# Allegro board nu_2000_main_211102_02.brd (continued)
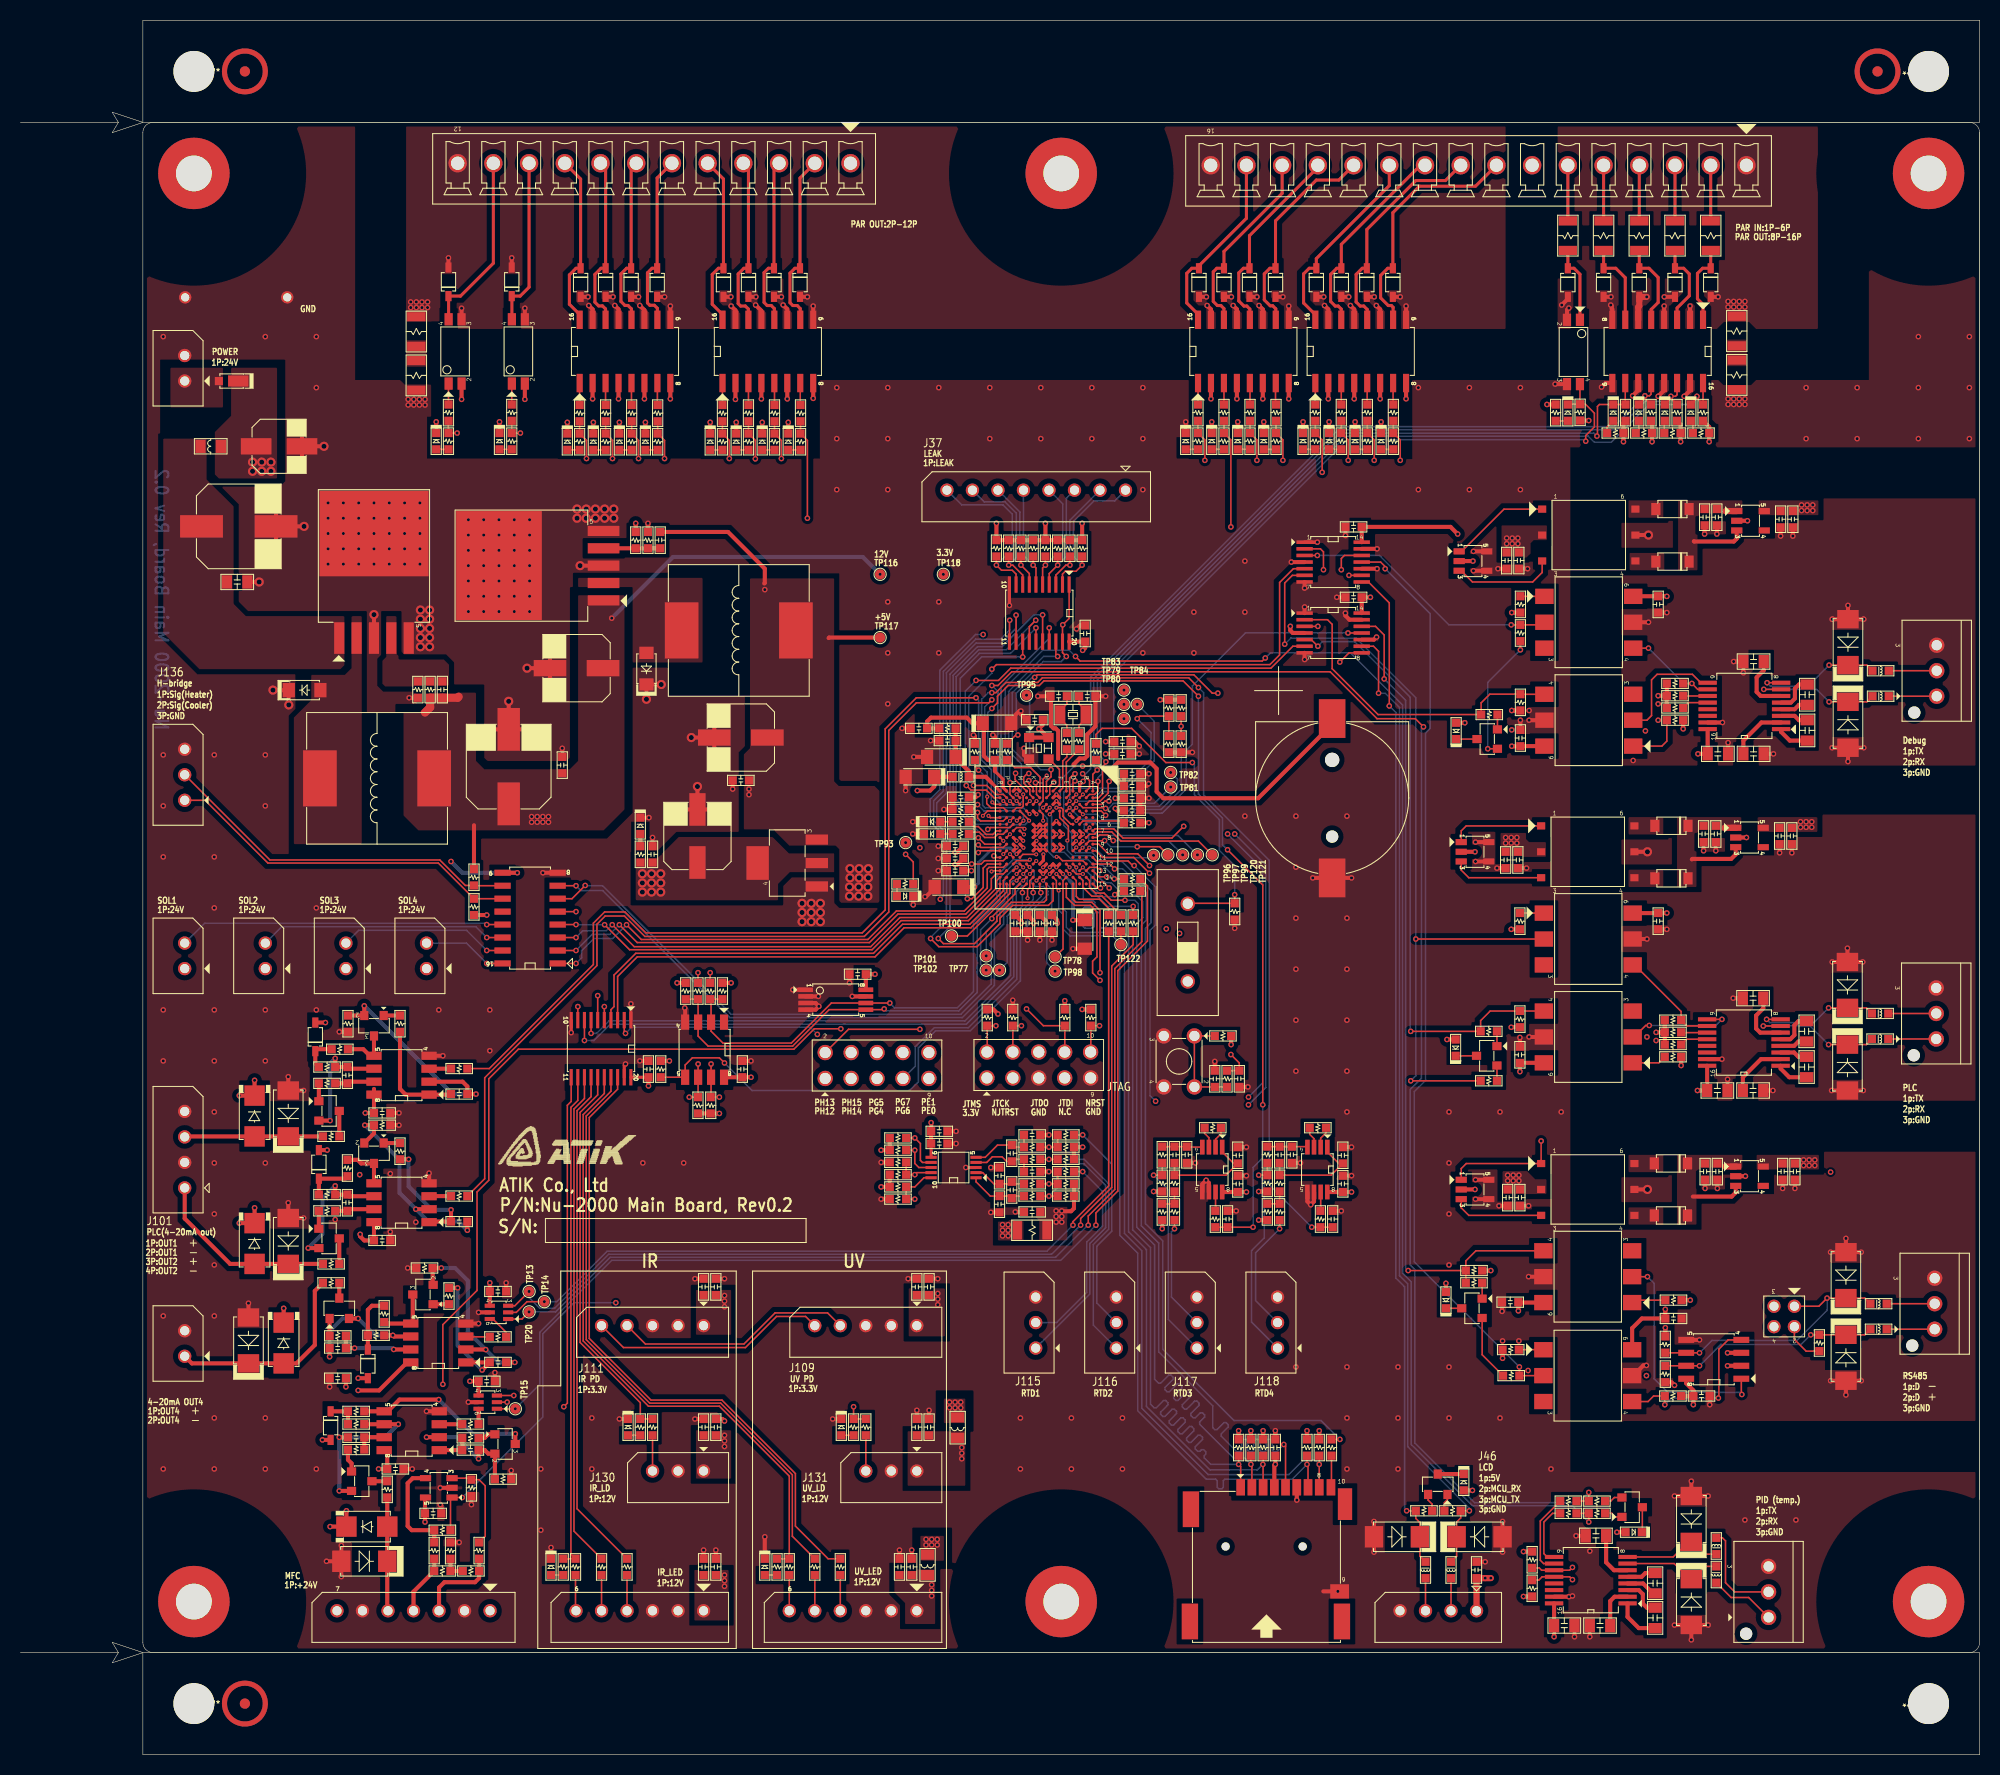
[diagram p0: board, top side]
## Routing (per net, layer and track width the routed paths; a pad name or vN(x,y) marks a point on that pad's centre or on a via; arc(x,y) is an arc through that point) (continued)
N8479819: length 13
  TOP w0.15: U1.C4 v2(104.12,92.17)
  BOTTOM w0.15: v2(104.12,92.17) 105.53,92.17 106.08,91.62 107.7,91.62 109.03,92.95 111.6,92.95 113.38,94.72 113.38,95.62 v1(112.72,96.28)
N8479823: length 10
  TOP w0.15: v1(106.35,92.75) 106.28,92.83 104.12,92.83 U1.C3
  BOTTOM w0.15: v1(106.35,92.75) 106.62,92.75 107.12,93.25 111.12,93.25 v1(112.72,94.85)
N8479827: length 11.8
  TOP w0.15: U1.C2 v2(104.12,94.12)
  L3-INT1 w0.15: v2(104.12,94.12) 104.6,94.6 107.6,94.6 108.7,95.7 108.7,101 v1(108.15,101.55)
N8479831: length 13.7
  TOP w0.15: U1.D2 v2(103.47,94.12)
  L3-INT1 w0.15: v1(108.15,102.95) 107.7,102.5 107.7,101.25 108.4,100.55 108.4,95.85 107.45,94.9 104.2,94.9 103.47,94.17 v2(103.47,94.12)
N8479835: length 15.9
  TOP w0.15: U1.D3 v2(103.47,93.47)
  BOTTOM w0.15: v1(109.45,102.95) 111.1,101.3 111.1,97.4 108.1,94.4 105.9,94.4 104.97,93.47 v2(103.47,93.47)
N8479839: length 20.4
  TOP w0.15: v1(109.45,101.55) 109.7,101.8 R426.2 R427.1 ; U1.E3 v2(102.83,93.47)
  BOTTOM w0.15: v1(109.45,101.55) 110.8,100.2 110.8,97.6 107.95,94.75 103.15,94.75 102.83,94.42 v2(102.83,93.47)
N8479843: length 21.5
  TOP w0.15: U1.E4 v2(102.83,92.83) ; R424.2 v1(113.75,100.8) R425.1
  BOTTOM w0.15: v2(102.83,92.83) 103.97,91.67 105.42,91.67 105.8,91.3 107.85,91.3 109.2,92.65 111.8,92.65 113.75,94.6 v1(113.75,100.8)
N8480699: length 12.1
  TOP w0.15: U1.B7 v2(104.78,90.88)
  BOTTOM w0.15: v2(104.78,90.88) 105.55,90.1 113.45,90.1 v1(115.35,88.2)
N8480709: length 13.9
  TOP w0.15: v2(98.4,90.75) 98.28,90.88 97.62,90.88 U1.N7
  L4-INT2 w0.15: v1(86.75,89.4) 87.35,89.4 89.15,91.2 95.25,91.2 95.7,90.75 v2(98.4,90.75)
N8480727: length 11.2
  TOP w0.15: v1(101,96.55) 101,95.85 100.55,95.4 U1.H1
  BOTTOM w0.15: v1(98.6,103.85) 98.9,103.55 98.9,97.65 100,96.55 v1(101,96.55)
N8480761: length 7.2
  TOP w0.15: U1.B10 v2(104.75,88.9)
  BOTTOM w0.15: v2(104.75,88.9) 105.25,88.9 106.25,87.9 110.8,87.9 v1(111.05,88.15)
N8480765: length 8.7
  TOP w0.15: v1(109.45,89) 111.65,89 TP97.1 ; U1.B9 104.78,89.58 106.22,89.58 v1(106.25,89.6)
  BOTTOM w0.15: v1(106.25,89.6) 106.85,89 v1(109.45,89)
N8480791: length 10.2
  TOP w0.15: U1.H14 v2(100.22,85.67)
  BOTTOM w0.15: v1(101.4,76.8) 100.6,77.6 100.6,80.65 101.05,81.1 101.05,84.85 v2(100.22,85.67)
N8480809: length 9.7
  TOP w0.15: v1(107.1,89.6) 106.55,90.15 105.75,90.15 105.5,89.9 U1.A8
  BOTTOM w0.15: v1(113.9,88.2) 112.5,89.6 v1(107.1,89.6)
N8547740: length 9.2
  TOP w0.15: TP100.1 92.8,80.25 96.97,84.42 96.97,85.67 U1.N14
N8547744: length 10.5
  TOP w0.15: U1.N13 v2(97.62,86.97)
  BOTTOM w0.15: v2(97.62,86.97) 97.47,86.97 96.45,85.95 96.45,83.65 95.7,82.9 95.7,81.75 94.65,80.7 v1(94.65,78.3)
N8547748: length 10.3
  TOP w0.15: v1(95.2,81.95) 95.2,82.1 97.47,84.38 97.47,84.88 U1.M15
  BOTTOM w0.15: v1(95.2,81.95) 94.1,80.85 94.1,77.45 v1(94.65,76.9)
N8577903: length 7.6
  TOP w0.3: R411.1 D125.2 152.25,145.7 152.84,145.12 152.84,140.65
N8579418: length 2.1
  TOP w0.15: R176.2 126.91,132.36 U45.1
N8579458: length 2.1
  TOP w0.15: U45.3 129.44,132.36 R178.2
N8579498: length 2.1
  TOP w0.15: R180.2 131.99,132.37 U45.5
N8580456: length 2.1
  TOP w0.15: U45.7 134.53,132.38 R188.2
N8581115: length 2.1
  TOP w0.15: R189.2 115.41,132.36 U46.1
N8581155: length 2.1
  TOP w0.15: U46.3 117.95,134.44 R191.2
N8581195: length 2.1
  TOP w0.15: U46.5 120.5,134.44 R193.2
N8581905: length 2.1
  TOP w0.15: U46.7 123,134.43 123,132.4 R198.2
N8582414: length 2.2
  TOP w0.15: R199.2 68.8,134.44 U47.1
N8582454: length 2.2
  TOP w0.15: U47.3 71.35,134.44 R200.2
N8582494: length 2.2
  TOP w0.15: U47.5 73.9,134.44 R201.2
N8583064: length 2.2
  TOP w0.15: R206.2 76.42,132.32 U47.7
N8583488: length 2.2
  TOP w0.15: R207.2 54.8,134.42 54.8,134.43 U48.1
N8583528: length 2.2
  TOP w0.15: U48.3 57.34,132.31 R208.2
N8583568: length 2.2
  TOP w0.15: U48.5 59.88,132.31 R209.2
N8584162: length 2.2
  TOP w0.15: R214.2 62.42,132.32 U48.7
N8611875: length 2
  TOP w0.15: D73.2 U71.3
N8632420: length 11.3
  TOP w0.15: U1.L13 v2(98.28,86.33)
  BOTTOM w0.15: v1(95.95,76.9) 96.7,77.65 96.7,82.2 97.6,83.1 97.6,84.6 98.15,85.15 98.35,85.15 98.65,85.45 98.65,85.95 v2(98.28,86.33)
N8641754: length 8.5
  TOP w0.4: R381.1 R385.2 44.95,17.3 44.55,16.9 41.55,16.9 41.02,16.38 J119.3
N8641766: length 9.4
  TOP w0.15: U78.3 44.05,27.1 R384.1 44.95,26.95 45.55,26.35 45.55,21.4 R381.2
N8641838: length 2.4
  TOP w0.4: R385.1 R387.2 R388.1
N8641920: length 10.1
  TOP w0.4: R386.2 R383.1 38.35,22 37.95,22.4 37.95,26.6 38.45,27.1 U78.4
N8641996: length 5.9
  TOP w0.4: R386.1 R387.1 38.52,15.97 J119.4
N8815037: length 2.1
  TOP w0.15: R215.2 41.95,134.38 U122.1
N8815077: length 2.1
  TOP w0.15: R216.2 48.15,134.38 U123.1
N9385993: length 4.2
  TOP w0.15: v1(152.1,18.35) 151.82,18.07 U19.11 149.07,18.07 148.85,18.3 R45.2
N9386165: length 4.2
  TOP w0.15: v1(152.1,17.15) 151.82,17.43 U19.12 149.12,17.43 148.8,17.1 R47.2
N9488779: length 2.6
  TOP w0.15: U12.6 46.3,42.7 47.6,41.4 R266.1
N9549445: length 17.2
  TOP w0.15: U86.4 167.35,40.66 166.45,39.75 166.45,35 v1(166.4,34.95) ; v1(161.15,34.3) R472.2 160.05,35.15 159.51,34.61 U120.4
  BOTTOM w0.15: v1(166.4,34.95) 161.8,34.95 v1(161.15,34.3)
N9669835: length 5
  TOP w0.4: U19.6 156.18,18.07 155.4,18.85 C65.2
N9756024: length 3.2
  TOP w0.4: U106.1 172.55,100.25 173.4,99.4 C212.2
N9756056: length 5.7
  TOP w0.4: U106.2 170.62,101.17 168.85,99.4 C215.2
N9756064: length 2.7
  TOP w0.4: U106.3 173.88,101.83 174.3,101.4 C212.1
N9756072: length 5.8
  TOP w0.4: C214.2 170.85,106.3 170.15,105.6 170.15,104.17 170.55,103.78 172.55,103.78
N9756092: length 2.7
  TOP w0.4: C216.2 174.3,102.9 173.88,102.47 U106.4
N9756156: length 3.9
  TOP w0.4: U106.5 173.5,103.12 173.9,103.53 173.9,104.5 174.3,104.9 C216.1
N9768725: length 2.8
  TOP w0.15: R467.2 163.28,70.12 U109.12
N9768767: length 3.2
  TOP w0.4: C223.2 173.35,66.4 172.5,67.25 U109.1
N9768855: length 5.7
  TOP w0.4: U109.2 170.57,68.17 168.8,66.4 C226.2
N9768863: length 2.7
  TOP w0.4: U109.3 173.82,68.83 174.25,68.4 C223.1
N9768871: length 5.8
  TOP w0.4: U109.6 170.5,70.78 170.1,71.17 170.1,72.45 170.8,73.15 C225.2
N9768911: length 2.7
  TOP w0.4: 172.5,69.47 173.82,69.47 174.25,69.9 C227.2
N9769123: length 3.9
  TOP w0.4: C227.1 174.25,71.9 173.85,71.5 173.85,70.53 173.45,70.12 U109.5
N9793724: length 4.2
  TOP w0.15: R428.2 175,39.55 173.85,40.7 JP1.2
N9818111: length 22.6
  TOP w0.15: U86.1 168.65,35.35 v1(168.7,35.3) ; U121.2 v1(159.45,46.85)
  BOTTOM w0.15: v1(168.7,35.3) 168.5,35.5 161.45,35.5 160.1,36.85 160.1,46.2 v1(159.45,46.85)
N9841684: length 9.8
  TOP w0.15: U110.1 141.25,117.95 145.39,122.09 T1.1
N9841695: length 10.1
  TOP w0.15: T1.3 149.13,115.88 148.2,114.95 142.3,114.95 141.2,116.05 U110.3
N9852169: length 6.2
  TOP w0.4: U111.3 168.2,119.2 167.92,118.92 164.03,118.92 164,118.95
  TOP w0.6: U111.1 167.1,121.9
N9879683: length 2.4
  TOP w0.15: R461.2 147.01,113.54 U112.1
N9880568: length 9.8
  TOP w0.15: R462.2 v1(163.8,105) 164.38,104.42 U106.10 ; U112.4 v1(159.55,108.46)
  BOTTOM w0.15: v1(159.55,108.46) 163.01,105 v1(163.8,105)
N9882174: length 5.6
  TOP w0.15: R464.1 161.35,99.35 160.86,98.86 U113.1
N9893641: length 11.6
  TOP w0.15: U113.2 159.4,101.4 159.85,101.85 159.85,105.35 160.4,105.9 163.85,105.9 164.68,105.08 U106.9
N9894584: length 2.6
  TOP w0.15: U106.12 163.47,103.12 R438.2
N9896543: length 2.4
  TOP w0.15: R439.2 162.97,103.78 165.35,103.78
N9902601: length 9.1
  TOP w0.15: T2.1 141.69,91.04 141.2,90.55 U115.1
N9902609: length 6.3
  TOP w0.4: 163.8,87.75 163.85,87.8 167.65,87.8 168.1,88.25 U114.3
  TOP w0.6: U114.1 167,90.85
N9902807: length 9
  TOP w0.15: U115.3 141.2,86.7 141.94,85.96 T2.3
N9903109: length 2.4
  TOP w0.15: R465.2 146.96,82.49 U116.1
N9903129: length 10.3
  TOP w0.15: U109.10 163.32,71.42 R466.2 162.75,72.85 158.19,77.41 U116.4
N9903137: length 2.6
  TOP w0.15: R468.2 162.78,70.78 U109.11
N9903169: length 10.9
  TOP w0.15: v1(159.62,71.47) 159.28,71.47 158.15,70.35 U117.2 ; 165.3,72.08 v1(166.75,72.08)
  BOTTOM w0.15: v1(159.62,71.47) 166.15,71.47 v1(166.75,72.08)
N9903277: length 3.4
  TOP w0.15: R470.1 160.56,67.81 U117.1
N9906366: length 11.3
  TOP w0.15: v1(149.03,60.15) T3.1 141.69,57.94 141.2,57.45 U119.1
N9906374: length 6
  TOP w0.4: U118.3 168.1,55.1 167.7,54.7 163.9,54.7
  TOP w0.6: U118.1 167.1,57.65
N9906572: length 9
  TOP w0.15: U119.3 141.2,53.6 141.94,52.86 T3.3
N9906852: length 2.4
  TOP w0.15: U120.1 149.24,39.7 R471.2
N9907016: length 3.3
  TOP w0.15: R475.1 158.19,44.55 U121.1
N9975453:
  vias: v1(69,31.3) v1(69,30.75) v1(69,30.2) v1(89.3,16.65) v1(89.3,16.1) v1(89.3,15.55)
N9975637: length 63.3
  TOP w0.15: R269.1 79.15,19.2 75.95,22.4 75.95,27.55 68.75,34.75 61.8,34.75 55.75,40.8 55.75,62.45 58.52,65.22 U125.18
N9975645: length 3.5
  TOP w0.15: R269.2 J107.4
N9975665: length 61.6
  TOP w0.15: U125.17 57.88,65.03 55.45,62.6 55.45,40.68 61.68,34.45 68.63,34.45 75.65,27.43 75.65,21.4 R270.1
N9975673: length 3.5
  TOP w0.15: R270.2 J107.5
N9975693: length 61.7
  TOP w0.15: R446.1 R271.1 75.35,27.3 68.5,34.15 61.55,34.15 55.15,40.55 55.15,62.74 57.23,64.81 U125.16
N9975709: length 3.5
  TOP w0.15: R271.2 J107.6
N9976071: length 37.9
  TOP w0.15: 56.58,66.4 56.58,64.67 54.85,62.95 54.85,40.4 60.75,34.5 R476.1 R272.1
N9976079: length 3.5
  TOP w0.15: R272.2 J130.3
N9976095: length 49.8
  TOP w0.15: U125.14 55.92,64.49 54.55,63.12 54.55,24.1 R478.1
N9976131: length 48.7
  TOP w0.15: R479.1 54.25,21.9 54.25,63.29 55.27,64.31 U125.13
N9976151: length 48.9
  TOP w0.15: U125.12 54.62,64.12 53.95,63.45 53.95,19.65 R480.1 R448.1
N9976163: length 63.4
  TOP w0.15: R481.1 R477.1 v1(81.65,34.1) ; U125.11 53.98,64.03 53.6,63.65 53.6,34.45 v1(53.25,34.1)
  L3-INT1 w0.15: v1(53.25,34.1) v1(81.65,34.1)
N9976251:
  vias: v1(69,17.6) v1(69,17.05) v1(69,16.5) v1(92.25,30.1) v1(92.25,29.55) v1(92.25,29)
N9976403: length 3.5
  TOP w0.15: R478.2 J108.4
N9976427: length 3.5
  TOP w0.15: R479.2 J108.5
N9976459: length 3.5
  TOP w0.15: J108.6 54.4,14.15 R480.2
N9976633: length 3.5
  TOP w0.15: R481.2 J131.3
N9977035: length 66.1
  TOP w0.15: R491.1 v1(67.6,76.65) ; J111.4 61.25,40.25 70.91,40.25 73.95,43.3 79.1,43.3 J109.4 ; v1(68.5,64.45) R482.2 67.69,64.48 U126.7 v1(67.69,67.7)
  L3-INT1 w0.15: v1(67.69,67.7) 66.4,68.98 66.4,75.45 v1(67.6,76.65) ; v1(68.5,64.45) 68.05,64 65.65,64 59.45,57.8 J111.4
N9977039: length 63.7
  TOP w0.15: J111.5 59.1,39.9 71.05,39.9 74.1,42.95 76.95,42.95 J109.5 ; R492.1 v1(66.4,76.65) ; v1(65.55,64.45) R483.2 66.41,64.47 U126.6 v1(66.41,67.7)
  L3-INT1 w0.15: v1(65.55,64.45) 59.1,58 59.1,44.2 J111.5 ; v1(66.41,67.7) 66.1,68.02 66.1,76.35 v1(66.4,76.65)
N9997691: length 5.6
  TOP w0.4: U128.4 60.3,118.25 R489.2 R490.1 C262.1
N10023088: length 6.3
  TOP w0.15: U1.D14 103.47,85.67 103.47,84.12 103.75,83.85 105.75,83.85 106.65,82.95 R493.1
N10023118: length 6
  TOP w0.15: R494.1 106,84.15 105,84.15 104.12,85.03 104.12,85.67 U1.C14
N10023150: length 8.6
  TOP w0.15: U1.C13 v2(104.12,86.97) ; R495.1 v1(109.05,83.15)
  BOTTOM w0.15: v2(104.12,86.97) 104.9,86.2 104.9,84.8 106.55,83.15 v1(109.05,83.15)
N10025688: length 11.1
  TOP w0.15: R496.2 v1(107.2,85.85) ; U1.F4 101.85,91.85 102.7,91 102.7,89.7 v2(102.6,89.6)
  BOTTOM w0.15: v2(102.6,89.6) 102.6,88.65 103.15,88.1 104.9,88.1 105.8,87.2 106.05,87.2 107.2,86.05 v1(107.2,85.85)
N10037157: length 1.3
  TOP w0.15: R498.2 163.9,130.55 D157.1
N10037183: length 1.2
  TOP w0.15: R499.2 161.1,130.7 D158.1
N10037205: length 1.3
  TOP w0.15: R500.2 158.6,129.85 D159.1
N10037227: length 1.4
  TOP w0.15: D160.1 155.5,130.15 R501.2
N10037249: length 1.2
  TOP w0.15: R502.2 D161.1
N10038837: length 1.2
  TOP w0.15: D162.1 R503.1
N10039748: length 1.2
  TOP w0.15: D163.1 R504.1
N10039906: length 1.2
  TOP w0.15: D164.1 R505.1
N10040229: length 1.2
  TOP w0.15: D165.1 R506.1
N10040391: length 1.2
  TOP w0.15: D166.1 R507.1
N10040555: length 1.2
  TOP w0.15: D167.1 R508.1
N10040723: length 1.2
  TOP w0.15: D168.1 R509.1
N10040891: length 1.2
  TOP w0.15: D169.1 R510.1
N10041061: length 1.2
  TOP w0.15: D170.1 R511.1
N10041233: length 1.2
  TOP w0.15: D171.1 R512.1
N10041407: length 1.2
  TOP w0.15: D172.1 R513.1
N10041583: length 1.2
  TOP w0.15: D173.1 R514.1
N10041761: length 1.2
  TOP w0.15: R515.1 D174.1
N10041941: length 1.2
  TOP w0.15: R516.1 D175.1
N10042123: length 1.2
  TOP w0.15: R517.1 D176.1
N10042307: length 1.2
  TOP w0.15: R518.1 D177.1
N10042495: length 1.2
  TOP w0.15: R519.1 D178.1
N10042683: length 1.2
  TOP w0.15: D179.1 R520.1
N10424983: length 24.3
  TOP w0.15: U14.14 v1(45.7,80.09)
  BOTTOM w0.15: J133.2 25.6,81.15 44.65,81.15 v1(45.7,80.09)
N10424999: length 16.7
  TOP w0.15: U14.15 v1(45.7,78.83)
  BOTTOM w0.15: J134.2 33.15,80.8 43.73,80.8 v1(45.7,78.83)
N10454014: length 32
  TOP w0.15: U14.13 v1(45.7,81.36)
  BOTTOM w0.15: v1(45.7,81.36) 45.56,81.5 18.05,81.5 J132.2
N10454035: length 8.3
  TOP w0.15: U14.16 v1(45.7,77.56)
  BOTTOM w0.15: v1(45.7,77.56) 43.7,79.55 J135.2
N10472130: length 35.7
  TOP w0.15: U14.10 44.48,85.17 R522.2 43.6,85.2 41.1,87.7 24.45,87.7 J136.2
N10472136: length 35.1
  TOP w0.15: U14.11 47.24,83.9 R521.2 40.95,87.4 24.25,87.4 18.1,93.55 J136.1
N10500518: length 11.9
  TOP w0.4: R523.1 v1(38.05,58.35) ; U129.1 40.11,52.25 C266.1 v1(42.2,53.4)
  BOTTOM w0.4: v1(38.05,58.35) 38.05,55.7 40.35,53.4 v1(42.2,53.4)
N10500522: length 1.6
  TOP w0.4: Q101.1 R523.2
N10500598: length 4.7
  TOP w0.4: R525.1 33.05,58.3 33.4,57.95 Q101.3 U129.5
N10500602: length 21.4
  TOP w0.4: C266.2 v1(43.8,51.4) ; v1(33.75,61.7) R524.2 34.65,60.9 Q101.2 ; U129.2 v1(38.75,53.47)
  BOTTOM w0.4: v1(43.8,51.4) 42.95,52.25 39.97,52.25 v1(38.75,53.47) 37.15,55.06 37.15,58.3 v1(33.75,61.7)
N10501389: length 13
  TOP w0.4: Q100.2 v1(28.2,49.65) ; v1(30.85,55.75) R526.2 C268.2 32.22,54.73 U129.6
  BOTTOM w0.4: v1(30.85,55.75) 29.6,54.5 29.6,51.05 v1(28.2,49.65)
N10501401: length 4.5
  TOP w0.4: R525.2 31.81,56.46 D180.2 R526.1
N10501492: length 3.9
  TOP w0.4: U129.7 32.22,53.47 C268.1 R527.1
N10501545: length 1.8
  TOP w0.4: R527.2 Q100.1
N10508863: length 2.2
  TOP w0.4: U129.3 40.06,54.75 R223.2
N10508867: length 2.5
  TOP w0.4: Q100.3 R221.1
N10509256: length 3.4
  TOP w0.4: R529.2 29.09,69.15 D181.2 28.9,67.75 R528.1
N10509268: length 12.1
  TOP w0.4: v1(30.85,68.25) R528.2 C270.2 32.22,67.23 U130.6 ; Q102.2 v1(30.35,62.15)
  BOTTOM w0.4: v1(30.35,62.15) 30.35,67.75 v1(30.85,68.25)
N10509436: length 3.9
  TOP w0.4: R530.1 C270.1 32.22,65.97 U130.7
N10509460: length 4.8
  TOP w0.4: Q103.3 U130.5 34.25,68.5 33.6,69.15 R529.1
N10509472: length 1.8
  TOP w0.4: Q102.1 R530.2
N10509484: length 22.6
  TOP w0.4: v1(33.7,73.4) Q103.2 R532.2 ; v1(44.65,64.75) C271.2 43.8,65.5 43.34,65.97 U130.2
  BOTTOM w0.4: v1(33.7,73.4) 42.35,64.75 v1(44.65,64.75)
N10509504: length 2.5
  TOP w0.4: R229.1 Q102.3
N10509624: length 10.9
  TOP w0.4: C271.1 42.14,64.69 U130.1 37.75,64.69 37.2,65.25 R531.1
N10509652: length 1.6
  TOP w0.4: Q103.1 R531.2
N10509656: length 2.2
  TOP w0.4: R231.2 42.19,67.23 U130.3
N10510436: length 3
  TOP w0.4: R533.1 R534.2 D182.2
N10510448: length 17
  TOP w0.4: R533.2 33.72,32.39 U131.6 v1(37.03,32.39) ; Q104.2 v1(31.25,25.85) ; C273.2 v1(31.25,31.1)
  BOTTOM w0.4: v1(31.25,25.85) v1(31.25,31.1) 35.75,31.1 v1(37.03,32.39)
N10510616: length 3.2
  TOP w0.4: U131.7 33.72,31.11 C273.1 R535.1
N10510640: length 17.7
  TOP w0.4: v1(48.5,31.45) Q105.3 ; v1(41,34.8) 37.15,34.8 36,33.66 U131.5 35.64,33.65 R534.1
  BOTTOM w0.4: v1(48.5,31.45) 44.35,31.45 v1(41,34.8)
N10510652: length 2.3
  TOP w0.4: Q104.1 32.45,28.55 32.1,28.9 R535.2
N10510664: length 12.3
  TOP w0.4: U131.2 v1(39.8,31.11) ; v1(44.9,29) C274.2 45.5,29.85 45.85,29.5 Q105.2 R537.2
  BOTTOM w0.4: v1(44.9,29) 42.78,31.11 v1(39.8,31.11)
N10510684: length 1.5
  TOP w0.4: R144.1 Q104.3
N10510804: length 3.5
  TOP w0.4: U131.1 41.05,29.85 C274.1 R536.1
N10510836: length 1.7
  TOP w0.4: R536.2 45.5,31.05 45.85,31.4 Q105.1
N10510840: length 2.3
  TOP w0.4: R265.2 43.28,32.39 U131.3
N10512026: length 5.7
  TOP w0.4: R539.2 34.45,44 34.05,43.6 R538.1 D183.2
N10512038: length 14.3
  TOP w0.4: Q106.2 v1(33.1,42.75) ; R538.2 v1(36.5,41.1) 36.61,40.98 38.25,40.98 ; C276.2 v1(30.3,39)
  BOTTOM w0.4: v1(30.3,39) 30.3,41.5 31.55,42.75 v1(33.1,42.75) 34.75,41.1 v1(36.5,41.1)
N10512206: length 7.6
  TOP w0.4: U132.7 v1(36.59,39.72) ; v1(32.75,39.85) C276.1 R540.1
  BOTTOM w0.4: v1(32.75,39.85) 36.45,39.85 v1(36.59,39.72)
N10512230: length 5.6
  TOP w0.4: R539.1 35.8,42.26 U132.5 38.45,42.45 Q107.3
N10512242: length 1.7
  TOP w0.4: Q106.1 R540.2
N10512254: length 19.3
  TOP w0.4: C277.2 v1(48.45,38.45) ; U132.2 45.59,39.72 v1(45.6,39.7) ; v1(41.25,47.7) R542.2 40.4,46.1 Q107.2
  BOTTOM w0.4: v1(48.45,38.45) 46.85,38.45 v1(45.6,39.7) 43.85,41.45 43.85,46.45 42.6,47.7 v1(41.25,47.7)
N10512274: length 1.5
  TOP w0.4: Q106.3 R151.1
N10512394: length 13.3
  TOP w0.4: C277.1 45.99,38.45 ; 45.99,38.45 U132.1 ; 45.99,38.45 v1(45.25,37.7) ; R541.1 v1(42.85,45.75)
  BOTTOM w0.4: v1(45.25,37.7) 42.85,40.1 v1(42.85,45.75)
N10512426: length 1.6
  TOP w0.4: Q107.1 R541.2
N10512430: length 2.4
  TOP w0.15: 43.65,40.98 43.69,40.95 R266.2
N10684882: length 1.2
  TOP w0.15: R446.2 D145.1
N73128801: length 4.7
  TOP w0.15: L16.2 J48.1
N73128981: length 4.7
  TOP w0.15: J48.2 L17.2
N85887810: length 2.5
  TOP w0.4: D70.2 U68.3
N85887811: length 1.8
  TOP w0.15: R355.1 138.35,24.55 137.95,24.95 U68.2
N85887812: length 1.7
  TOP w0.15: U68.1 139.85,25 139.55,24.7 R356.1
N85944071: length 2.5
  TOP w0.15: U69.3 158.95,21.85 D71.2
N85944271: length 1.8
  TOP w0.15: U69.2 156.2,25.2 155.85,24.85 R359.1
N85944272: length 1.8
  TOP w0.15: U69.1 156.3,23.3 155.95,23.65 R360.1
N86077921: length 2.1
  TOP w0.15: D72.2 U70.3
N86078161: length 12.8
  TOP w0.15: R363.1 v1(147,108.3) ; v1(143.8,98.6) U70.2
  BOTTOM w0.15: v1(147,108.3) 143.8,105.1 v1(143.8,98.6)
N86078162: length 1.5
  TOP w0.15: U70.1 R364.1
N86118911: length 1.5
  TOP w0.15: U71.2 R367.1
N86118912: length 1.4
  TOP w0.15: R368.1 U71.1
N86591951: length 1.5
  TOP w0.15: D74.2 U72.3
N86592191: length 6.5
  TOP w0.15: R371.1 143.25,39.2 U72.2
N86592192: length 1.5
  TOP w0.15: U72.1 R372.1
N99761110: length 1.2
  TOP w0.15: R476.2 D154.1
N99764710: length 1.2
  TOP w0.15: R448.2 D147.1
N99766450: length 1.2
  TOP w0.15: R477.2 D155.1
N99986800: length 1.2
  TOP w0.4: R256.2 D61.1

## Copper pours and planes (outline as drawn; the poured copper is in the pictures)
3.3V on TOP: 66.2,45.55 66.2,41.15 69.65,41.15 69.65,45.55
3.3V on TOP: 98.3,52.4 98.3,50.4 95.8,50.4 95.8,52.4
3.3V on TOP: 79.75,88.35 79.75,86.5 75.4,86.5 74.25,85.35 74.25,83.75 60.3,83.75 60.3,87.95 62.5,87.95 64.5,89.95 73.7,89.95 75.3,88.35
3.3V on TOP: 87.05,45.7 87.05,41 90.6,41 90.6,45.7
3.3V on L2-PWR: 12.6,10.6 12.6,159.4 32.6,159.4 32.6,134.55 181.35,134.55 181.35,159.4 191.4,159.4 191.4,128.35 151.7,128.35 151.7,27.5 191.4,27.5 191.4,10.6 ; 33 cut-outs
5V on TOP: 145.05,88 149.5,88 149.5,89.45 147.85,89.45 147.55,89.75 147.55,90.35 145.05,90.35
5V on TOP: 145.15,120.5 145.15,117.35 147.6,117.35 148,117.75 148,118.75 148.3,119.05 149.6,119.05 149.6,120.5
5V on TOP: 145.25,54.95 145.25,57.2 147.65,57.2 148.45,56.4 149.55,56.4 149.55,54.95
5V on TOP: 80.45,83.5 80.25,83.7 80.25,88.75 79.9,89.1 75.35,89.1 73.75,90.7 70.9,90.7 70.9,94.95 71,94.95 71,96.05 70.9,96.05 70.9,98.05 71.5,98.65 71.5,115.3 79.75,115.3 79.75,95.4 80.2,94.95 83.7,94.95 84.25,94.4 84.25,83.7 84.05,83.5
5V on L3-INT1: 77.4,40.75 68.97,49.17 68.97,82.08 75.05,88.15 83.7,88.15 84.2,87.65 84.2,77.05 83.25,76.1 78.75,76.1 76.95,74.3 76.95,55.05 81.15,50.85 137.2,50.85 138.85,52.5 138.85,120.45 147.35,120.45 147.35,42.25 145.85,40.75 ; 9 cut-outs
12V on TOP: 92.6,32.45 92.6,34.9 90.5,34.9 90.5,32.45
12V on TOP: 37.55,102.2 37.55,92.05 39,90.6 57.15,90.6 59.2,92.65 59.2,113.65 54.65,113.65 54.65,97.4 53.85,96.6 45.45,96.6 44.65,97.4 44.65,104.1 39.65,104.1 39.65,102.7 39.15,102.2
12V on TOP: 88.2,21.45 88.2,19 90.5,19 90.5,21.45
12V on L4-INT2: 35.75,38.45 47.8,38.45 47.8,10.6 95.4,10.6 95.4,38.5 58.05,38.5 55.9,40.65 55.9,56.3 48.27,63.92 48.27,68.58 53.9,74.2 53.9,93.2 43.65,93.2 43.65,80.3 35.75,80.3 ; 2 cut-outs
24V on TOP: 19.05,129.65 20.65,131.25 20.65,135.95 25.15,135.95 25.15,125.15 25.1,125.1 19.45,125.1 19.05,125.5
24V on L4-INT2: 47,37.65 34.9,37.65 34.9,70.05 42.85,78 42.85,93.3 36.8,99.35 36.8,132.15 36.75,132.2 12.6,132.2 12.6,10.6 47,10.6 ; 20 cut-outs
GND on TOP: 167,134.25 167,131.95 169.35,131.95 169.35,134.25
GND on TOP: 79.75,85.8 79.75,81.1 75.05,81.1 75.05,85 75.85,85.8
GND on TOP: 37.45,107.9 37.45,112.85 40.85,112.85 40.85,107.9
GND on TOP: 37.65,134.3 37.65,131.9 40,131.9 40,134.3
GND on TOP: 58.95,119.4 58.95,122.65 53.55,122.65 53.55,119.4
GND on BOTTOM: 12.4,10.4 12.4,159.6 32.8,159.6 32.8,134.75 181.15,134.75 181.15,159.6 191.6,159.6 191.6,128.15 151.9,128.15 151.9,27.7 191.6,27.7 191.6,10.4 ; 96 cut-outs
GND on L3-INT1: 12.4,10.4 12.4,159.6 32.8,159.6 32.8,134.75 181.15,134.75 181.15,159.6 191.6,159.6 191.6,128.15 151.9,128.15 151.9,27.7 191.6,27.7 191.6,10.4 ; 85 cut-outs
GND on L4-INT2: 12.4,10.4 12.4,159.6 32.8,159.6 32.8,134.75 181.15,134.75 181.15,159.6 191.6,159.6 191.6,128.15 151.9,128.15 151.9,27.7 191.6,27.7 191.6,10.4 ; 44 cut-outs
GND on L5-GND: 12.4,10.4 12.4,159.6 32.8,159.6 32.8,134.75 181.15,134.75 181.15,159.6 191.6,159.6 191.6,128.15 151.9,128.15 151.9,27.7 191.6,27.7 191.6,10.4 ; 23 cut-outs
(no net) on TOP: 12.4,10.4 12.4,159.6 32.8,159.6 32.8,134.75 37.2,134.75 37.65,134.3 40.25,134.3 40.25,131.15 39.85,131.15 39.85,127.05 78.35,127.05 78.35,134.75 114.5,134.75 114.5,127 136.4,127 136.4,134.75 166.4,134.75 166.9,134.25 169.6,134.25 170.1,134.75 181.15,134.75 181.15,159.6 191.6,159.6 191.6,128.15 151.9,128.15 151.9,27.7 191.6,27.7 191.6,10.4 ; 197 cut-outs
B_PAR_IN_COM on TOP: 150.65,139.75 150.65,147.9 167.05,147.9 167.05,149.9 150.65,149.9 150.65,159.6 176.15,159.6 176.15,139.75 170.1,139.75 169.4,140.45 166.95,140.45 166.25,139.75 ; 4 cut-outs
B_PAR_IN_COM on TOP: 166.95,140.45 166.95,142.8 169.4,142.8 169.4,140.45
B_PAR_IN_COM on BOTTOM, L2-PWR, L3-INT1, L4-INT2, L5-GND: 150.65,139.75 150.65,159.6 176.15,159.6 176.15,139.75
B_PAR_OUT_COM on TOP: 37.8,140.5 37.8,142.9 40.35,142.9 40.35,140.5
B_PAR_OUT_COM on TOP: 41.4,139.75 41.4,140.5 37.8,140.5 37.8,159.6 145.5,159.6 145.55,159.55 145.55,139.75 ; 6 cut-outs
B_PAR_OUT_COM on BOTTOM, L2-PWR, L3-INT1, L4-INT2, L5-GND: 37.8,139.75 37.8,159.6 145.5,159.6 145.55,159.55 145.55,139.75
FGND1 on TOP: 156.9,96.95 156.9,115.6 162.2,115.6 162.2,118.3 156.9,118.3 156.9,120.95 164.55,120.95 164.55,120.9 167.4,120.9 167.4,119.2 171.9,119.2 171.9,121 171.6,121 171.6,123.15 191.6,123.15 191.6,96.95 170.35,96.95 170.35,98.9 169.8,98.9 169.8,96.95 ; 7 cut-outs
FGND1 on BOTTOM, L3-INT1, L4-INT2, L5-GND: 191.6,96.95 191.6,123.15 156.9,123.15 156.9,96.95 ; 2 cut-outs
FGND2 on TOP: 156.9,64.1 156.9,89.85 171.5,89.85 171.5,92.15 191.6,92.15 191.6,64.1 170.3,64.1 170.3,65 169.65,65 169.65,64.1 ; 10 cut-outs
FGND2 on BOTTOM, L3-INT1, L4-INT2, L5-GND: 191.6,64.1 191.6,92.15 156.9,92.15 156.9,64.1
FGND3 on TOP: 156.9,32.5 156.9,56.8 162.05,56.8 162.05,57.05 168.05,57.05 168.05,54.95 171.85,54.95 171.85,57.1 171.7,57.1 171.7,57.05 169.85,57.05 169.85,59.1 191.6,59.1 191.6,32.7 157.1,32.7 ; 13 cut-outs
FGND3 on BOTTOM: 191.6,32.7 191.6,59.1 156.9,59.1 156.9,32.5 157.1,32.7 ; 2 cut-outs
FGND3 on L3-INT1, L4-INT2, L5-GND: 191.6,32.7 191.6,59.1 156.9,59.1 156.9,32.5 157.1,32.7 ; 1 cut-out
VISO1 on TOP: 170.35,122.95 170.35,121.5 176.2,121.5 176.2,122.95
VISO1 on L2-PWR: 191.4,122.95 191.4,97.15 157.1,97.15 157.1,122.95
VISO2 on TOP: 170.25,91.9 170.25,90.45 176.1,90.45 176.1,91.9
VISO2 on L2-PWR: 191.4,91.95 191.4,64.3 157.1,64.3 157.1,91.95
VISO3 on TOP: 170.15,57.35 170.15,58.8 176.25,58.8 176.25,57.35
VISO3 on L2-PWR: 191.4,58.9 191.4,32.9 157.1,32.9 157.1,58.9 ; 1 cut-out
VRTD on TOP: 99.85,50.4 99.85,52.35 99.55,52.65 99.55,53.7 102.6,53.7 102.6,50.4
VRTD on L3-INT1: 100.85,51.25 100.85,60 124.85,60 124.85,51.25 ; 3 cut-outs
N9408028 on TOP: 36.85,111.6 36.85,107.9 37.05,107.7 37.05,107.45 37.15,107.35 41.5,107.35 42,106.85 42,104.7 35.75,104.7 35.48,104.97 35.48,107.22 35.85,107.6 35.85,111.6
N9408044 on TOP: 33.45,111.6 33.45,89.25 26.8,89.25 26.8,101.65 28.5,103.35 28.5,105.85 31.8,105.85 32.45,106.5 32.45,111.6
N9408096 on TOP: 18.25,129 18.25,125 20.9,122.35 20.9,112.8 22.1,111.6 31.75,111.6 31.75,106.8 31.35,106.4 17.55,106.4 14,109.95 14,129
N9852088 on TOP: 157.6,122.95 157.6,121.25 161,121.25 161,122.95
N9852160 on TOP: 157.7,117.8 157.7,116.1 161.1,116.1 161.1,117.8
N9852169 on TOP: 168.75,122.95 168.75,121.6 164.6,121.6 164.35,121.35 164.35,116.1 162.45,116.1 162.45,122.95
N9902605 on TOP: 157.6,91.9 157.6,90.2 161,90.2 161,91.9
N9902609 on TOP: 168.65,91.9 168.65,90.55 164.5,90.55 164.25,90.3 164.25,85.05 162.35,85.05 162.35,91.9
N9902885 on TOP: 157.6,86.75 157.6,85.05 161,85.05 161,86.75
N9906370 on TOP: 157.6,58.8 157.6,57.1 161,57.1 161,58.8
N9906374 on TOP: 164.4,57.35 164.25,57.2 164.25,51.95 162.35,51.95 162.35,58.8 168.75,58.8 168.75,57.35
N9906644 on TOP: 157.6,53.65 157.6,51.95 161,51.95 161,53.65
N9975453 on TOP: 66.2,31.8 66.2,27.05 69.65,27.05 69.65,31.8
N9975453 on TOP: 86.7,12.8 89.65,12.8 89.65,18.15 85.65,18.15 85.65,15.9 86.7,14.85
N9975453 on BOTTOM: 66.1,31.8 66.1,26.2 74.95,26.2 86.45,14.7 86.45,13.05 90.2,13.05 90.2,18.65 77.05,31.8
N9976251 on TOP: 86.95,31.7 86.95,26.35 92.6,26.35 92.6,31.7
N9976251 on TOP: 69.4,13.15 69.4,18.1 66.05,18.1 66.05,13.15
N9976251 on BOTTOM: 86.4,31.4 93.45,31.4 93.45,26 83.35,26 77.25,32.1 65.8,32.1 65.8,20.25 66.15,19.9 70.35,19.9 70.35,15.6 61.25,15.6 59.75,17.1 59.75,36.2 60.85,37.3 80.5,37.3
N9980676 on TOP: 167.2,138.7 167.2,136.1 169.2,136.1 169.2,138.7
N9980825 on TOP: 37.8,138.65 37.8,136.05 39.8,136.05 39.8,138.65
N9987903 on TOP: 19.85,135.95 19.85,132.05 14.7,132.05 14.7,135.95
N9997719 on TOP: 54.65,115.35 54.65,114.35 59.25,114.35 59.5,114.1 59.5,107.4 59.85,107.05 66.85,107.05 66.85,115.35

## Text on the board
BOTTOM: Nu-2000 Main Board, Rev 0.2
User.Comments: CR_UNNAMED_25 | CR_UNNAMED_20 | CR_UNNAMED_13 | CR_UNNAMED_14 | CR_UNNAMED_16 | CR_UNNAMED_24 | CR_UNNAMED_7 | CR_UNNAMED_12
Ref Des/Silkscreen Top: 1P:OUT1 | 2P:OUT1 | 3P:OUT2 | 4P:OUT2 | PLC(4-20mA out) | 4-20mA OUT4 | 1P:OUT4 | 2P:OUT4 | H-bridge | 1P:Sig(Heater) | 2P:Sig(Cooler) | 3P:GND | SOL1 | 1P:24V | POWER | SOL2 | 1P:+24V | MFC | GND | SOL3 | SOL4 | 1P:3.3V | IR PD | 1P:12V | IR_LD | IR_LED | UV PD | UV_LD | PH13 | PH12 | PH15 | PH14 | PAR OUT:2P-12P | UV_LED | PG5 | PG4 | 12V | +5V | PG7 | PG6 | PE1 | PE0 | 1P:LEAK | LEAK | 3.3V | JTMS | JTCK | NJTRST | RTD1 | JTDO | JTDI | N.C | NRST | RTD2 | RTD3 | RTD4 | LCD | 1p:5V | 2p:MCU_RX | 3p:MCU_TX | 3p:GND | PAR OUT:8P-16P | PAR IN:1P-6P | PID (temp.) | 1p:TX | 2p:RX | Debug | PLC | RS485 | 1p:D | 2p:D | JTAG | S/N: | ATIK Co., Ltd | P/N:Nu-2000 Main Board, Rev0.2 | IR | UV
DIMENSION: FIGURE | SIZE | 0.2 | 0.3 | 0.5 | 0.9 | 1.0 | 1.1 | 1.3 | 2.0 | 3.5 | 0.8 | 1.2 | 1.4 | 4.0 | DRILL CHART: TOP to BOTTOM | ALL UNITS ARE IN MILLIMETERS | PLATED | NON-PLATED | QTY | 106 | 800 | 214 | 79 | 19 | 10 | 32 | 2 | 6 | 1 | 4
